# Altium PCB Mainboard_gnd_bak.PcbDoc (part 1 of 2) (continued)
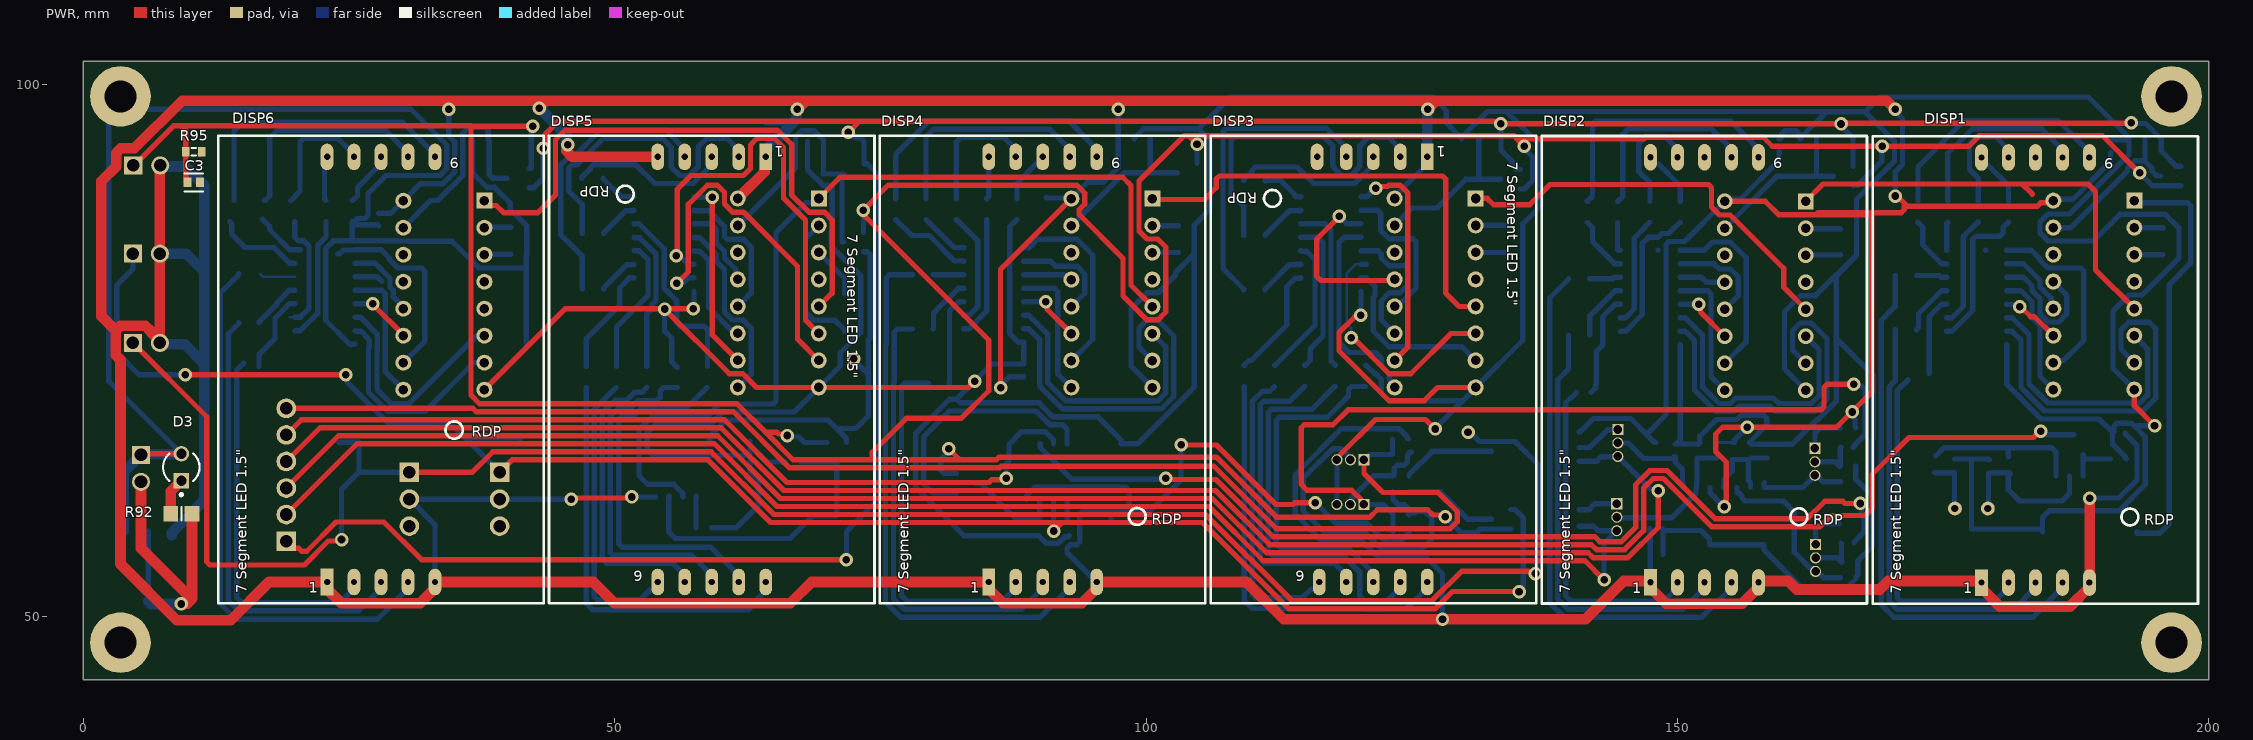
[diagram p0: PWR view]
## Part data
"A SW" "B SW" PWR RST: library part CMP-2000-05537-1, "Male Header, Pitch 2.54 mm, 1 x 2 Position, Height 11.7 mm, Tail Length 3.56 mm, 0 to 75 degC, RoHS, Bulk", Current - Max=4A, Manufacturer=Molex, Operating temperature=0°Cto+75°C, Package Description="2-Leads Header, Body 5.08 x 5.8 mm, Pitch 2.54 mm", Package Version="Rev. BC, 02/2012", PartNumber=0022272021, Voltage - Max=250V, Contact material=Tinplatedbrass, Current rating=4A, Datasheet URL=http://www.molex.com/pdm_docs/sd/022272021_sd.pdf, Datasheet Version="Rev. F, 06/2009", Housing material=Nylon(UL94V-0), Manufacturer URL=http://www.molex.com/, Mounting Technology=ThroughHole, No. of Positions=2, No. of Rows=1, Orientation=Vertical, Package Reference=22-27-2021, Pitch=2.54mm, Voltage rating=250V
C1 C2 C3 C4 C5 C6 C7 C8 C9 C10 C11 C12 C13 C14 C15 C16 C17 C18 C19 C20: library part CMP-1035-00914-3, "CAP CER 30PF 50V 5% NP0 0603", Capacitance="30 pF", Manufacturer=KEMET, Manufacturer Part Number=C0603C300J5GACTU, Package=C0603C-CF, Temperature="-55°C to +125°C", Temperature Characteristic=C0G, Temperature Coefficient=30ppm/°C, Temperature Range High=+125°C, Temperature Range Low=-55°C, Tolerance=0.05, Voltage rating="50 V", Automotive=Yes, Automotive Grade="Grade 1", Category=Cap, ComponentLink2Description=Datasheet, ComponentLink2URL=https://api.kemet.com/component-edge/download/datasheet/C0603C100J5GACAUTO.pdf, Device Class L1="Passive Components", Device Class L2=Capacitors, Device Class L3="Ceramic Capacitors", Digikey Description="CAP CER 30PF 50V 5% NP0 0603", Height=0.87mm, Lead Free=Yes, Material=Ceramic, Mouser Description="Multilayer Ceramic Capacitors MLCC - SMD/SMT 50volts 30pF C0G 5%", Octopart=https://octopart.com/c0603c300j5gactu-kemet-199455, RoHS=TRUE
D1 D2 D4 D5 D6 D7 D8 D9 D10 D11 D12 D13 D14: library part CMP-12790-000084-1, "DIODE ARRAY SCHOTTKY 30V SOT23-3", Average Rectified Current=200mA, Capacitance=10pF, Case/Package=SOT-23, Forward Voltage=800mV, Max Forward Surge Current (Ifsm)=600mA, Max Operating Temperature=150°C, Max Power Dissipation=200mW, Max Repetitive Reverse Voltage (Vrrm)=30V, Max Reverse Current=2uA, Min Operating Temperature=-65°C, Package Quantity=3000, Contact Plating=Tin, Current rating=200mA, Element Configuration="Common Cathode", Forward Current=200mA, Height=1mm, Lead Free="Lead Free", Length=2.9mm, Max Reverse Voltage (DC)=30V, Mount="Surface Mount", Number of Pins=3, Packaging="Tape and Reel", Peak Non-Repetitive Surge Current=600mA, Power Dissipation=200mW, Power Rating=200mW, Radiation Hardening=No, REACH SVHC="No SVHC", Reverse Recovery Time=5ns, RoHS Compliant=Yes, Series=-, Termination=SMD/SMT, Voltage Rating (DC)=30V, Weight=0.000282oz, Width=1.3mm
D3: library part CMP-18399-000007-1, "LED RED DIFFUSED T-1 T/H", Colour=Red, Forward Current=10mA, Forward Voltage=1.9V, Manufacturer=Broadcom, Max Junction Temp=+110°C, Package=0, Reverse Voltage=5V, Temperature="-40°C to +100°C", Temperature Range High=+100°C, Temperature Range Low=-40°C, Automotive=No, Category=Diode, ComponentLink2Description=Datasheet, ComponentLink2URL=https://docs.broadcom.com/docs/AV02-1555EN, Device Class L1=Optoelectronics, Device Class L2=LEDs, Device Class L3=unset, Digikey Description="LED RED DIFFUSED T-1 T/H", Lead Free=Yes, Led Orientation=Straight, Luminous Intensity=3.4mcd, Manufacturer Part Number=HLMP-1301, Mouser Description="Standard LEDs - Through Hole Red Diffused 635nm 3.4mcd", Octopart=https://octopart.com/hlmp-1301-broadcom-71130345, Peak Emmision Wavelength=635nm, RoHS=TRUE, Viewing Angle=60°, Wavelength=626nm
DISP1 DISP2 DISP4 DISP6: library part CMP-007-00036-2, "7 segment display 1.5 inch"
DISP3 DISP5: library part CMP-00000-1, "7 segment 1.5 inch display Upside down"
"GATE A" "GATE B": library part CMP-04776-000327-1, "CONN HEADER VERT 3POS 2.54MM", Color=Natural, Contact Resistance=10mR, Current rating=4A, Housing Color=White, Max Operating Temperature=75°C, Min Operating Temperature=0°C, Voltage rating=250V, Connector Type="Male Pin", Contact material=Brass, Contact Mating Length=0.295inch, Contact Plating=Gold, Contact Type="Male Pin", Depth=5.8mm, Fastening Type=Friction, Gender=Male, Housing material=Nylon, Lead Pitch=2.54mm, Length=7.62mm, Mount="Through Hole", Number of Contacts=3, Number of Positions=3, Number of Rows=1, Orientation=Straight, Packaging=Bulk, Pitch=2.54mm, Radiation Hardening=No, RoHS Compliant=Yes, Series="KK® 6410", Termination=Solder, Working Voltage=250V
"MODE SW": library part CMP-04776-000934-1, "CONN HEADER VERT 6POS 2.5MM", Color=Natural, Contact Resistance=20mR, Current rating=3A, Flammability Rating="UL94 V-0", Insulation Resistance=1GR, Max Operating Temperature=105°C, Max Voltage Rating (DC)=250.25kV, Min Operating Temperature=-40°C, Package Quantity=1, Voltage rating=250V, Connector Type="Male Pin", Contact Gender=Male, Contact material=Brass, Contact Mating Length=0.295inch, Contact Plating=Tin, Contact Type="Male Pin", Fastening Type=Friction, Gender=Male, Glow Wire Compliant=Non-compliant, Halogen Free="Low Halogen", Height=11.7mm, Hole Diameter=1.19mm, Housing Color=Natural, Housing material=Nylon, Lead Free="Lead Free", Lead Pitch=2.5mm, Length=14.5mm, Mount="Through Hole", Number of Circuits=6, Number of Contacts=6, Number of Poles=6, Number of Positions=6, Number of Rows=1, Orientation=Straight, Packaging=Bulk, Pitch=2.5mm, Radiation Hardening=No, Series="KK® 5045", Termination=Solder, Voltage Rating (AC)=250V, Voltage Rating (DC)=250V, Width=5.8mm, Working Voltage=250V
Q1 Q2 Q3 Q4 Q5 Q6: library part CMP-1177-00037-1, "NPN Silicon AF Transistor, 45 V VCEO, 100 mA IC, SOT23, Reel, Green", Manufacturer="On Semiconductor", ComponentLink1Description="Manufacturer URL", ComponentLink1URL=http://www.onsemi.com/, ComponentLink2Description=Datasheet, ComponentLink2URL=http://www.onsemi.com/pub_link/Collateral/BC546-D.PDF, ComponentLink3Description="Package Specification", ComponentLink3URL=http://www.onsemi.cn/pub_link/Collateral/2N6426-D.PDF, DatasheetVersion="Rev. 7", fT Min (MHz)=150, IC Continuous (A)=0.1, Mounting Technology="Through Hole", PackageDescription="3-Pin Transistor Outline, Body 4.825 x 3.685 mm, Pitch 1.27 mm", PackageReference=TO-92-3-29-11_AM_SL, PackageVersion="Rev. AM", Packing="Bulk Box", PartNumber=BC547C, Polarity=NPN, RoHS=FALSE
Q7: library part CMP-1099-00020-1, "P-Channel SIPMOS Small-Signal-Transistor, -60 V VDS, -1.9 A ID, -55 to 150 degC, PG-SOT223 (SC-73), Reel, Green", Manufacturer=Infineon, ComponentLink1Description="Manufacturer URL", ComponentLink1URL=http://www.infineon.com/, ComponentLink2Description=Datasheet, ComponentLink2URL=http://www.infineon.com/dgdl/BSP170P_Rev2.53.pdf?folderId=db3a304314dca38901154a72e3951a65&fileId=db3a30433b47825b013b5fdad470576f, ComponentLink3Description="Package Specification", ComponentLink3URL=http://www.infineon.com/dgdl/SOT223-Package_Overview.pdf?folderId=db3a30431936bc4b0119530470b03c3d&fileId=db3a30431936bc4b0119531d40b93c5c, DatasheetVersion="Rev. 2.53", Green=TRUE, Halogen-free=TRUE, ID (max)="-1.9Â A", IDpuls (max)="-7.6Â A", Mode=Enhancement, Mounting Technology="Surface Mount", PackageDescription="4-Pin Small Outline Transistor Package, 6.5 x 3.5 mm Body, 2.3 mm Pitch", PackageReference="PG-SOT223 (SC-73)", PackageVersion=Apr-08, Packing=Reel, PartNumber=BSP170P, Polarity=P, Pto t (max)="1.8Â mW", QG="-12.5Â nC", RDS (on) (max)="300Â mOhm", Rth="110Â K/W", Technology=SIPMOS, VDS (max)="-60Â V", VGS(th) (max)="-4Â V", VGS(th) (min)="-2.1Â V"
R1 R2 R3 R4 R5 R6 R7 R8 R9 R10 R11 R12 R13 R14 R15 R16 R17 R18 R19 R20 R21 R22 R23 R24 R25 R26 R27 R28 R29 R30 R31 R32 R33 R34 R35 R36 R37 R38 R39 R40 R41 R42 R43 R44 R45 R46 R47 R48 R49 R50 R51 R52 R53 R54 R55 R56 R57 R58 R59 R60 R61 R62 R63 R64 R65 R66 R67 R68 R69 R70 R71 R72 R73 R74 R75 R76 R77 R78 R79 R80 R81 R82 R83 R84 R85 R86 R87 R88 R89 R90 R91 R92 R93 R94 R95: "Resistor", LatestRevisionDate=29-May-2009, LatestRevisionNote="IPC-7351 Footprint Added.", PackageDescription="Chip Resistor", PackageReference=J1-0603, Published=8-Jun-2000, Publisher="Altium Limited"
U1 U6: library part CMP-1623-00072-2, "CMOS Decade Counter with 10 Decoded Outputs, D0016A, LARGE T&R", F @ Nom Voltage(Max)(Mhz)=8, Generic Part Number=CD4017B, ICC @ Nom Voltage(Max)(mA)=0.03, Manufacturer="Texas Instruments", Operating Temperature Range(C)="-55 to 125", Rating=Military, tpd @ Nom Voltage(Max)(ns)=270, Voltage(Nom)(V)=10, Bits(#)=10, Code_JEDEC="MS-012 variation AC", DatasheetVersion=SCHS027C, Function=Counter, Input Type=CMOS, Inputs=1, Output Drive (IOL/IOH)(Max)(mA)=1.5/-1.5, Output Type=CMOS, PackageReference=D0016A, Schmitt Trigger=No, Technology Family=CD4000, Type=Decade, VCC(Max)(V)=18, VCC(Min)(V)=3
U2 U4 U7 U9 U11 U13: library part CMP-1623-00561-2, "CMOS Decade Counter/Divider with Decoded 7-Segment Display Outputs and Display Enable, N0016A, TUBE", F @ Nom Voltage(Max)(Mhz)=8, Generic Part Number=CD4026B, ICC @ Nom Voltage(Max)(mA)=0.03, Manufacturer="Texas Instruments", Operating Temperature Range(C)="-55 to 125", Rating=Catalog, tpd @ Nom Voltage(Max)(ns)=250, Voltage(Nom)(V)=5,10,15, Bits(#)=7, Code_JEDEC=MS-001, DatasheetVersion=SCHS031B, Function=Counter, Input Type=CMOS, Inputs=1, Output Drive (IOL/IOH)(Max)(mA)=1.5/-1.5, Output Type=CMOS, PackageReference=N0016A, Schmitt Trigger=No, Technology Family=CD4000, Type=Decade, VCC(Max)(V)=18, VCC(Min)(V)=3
U3 U5 U8 U10 U12 U14: library part CMP-2000-05374-1, "Seven NPN Darlington Array Transistor, 50 V, 500 mA, -40 to 85 degC, 8-Pin SOIC, RoHS, Tape and Reel", Collector Emitter Voltage V(br)ceo=50V, DC Collector Current=500mA, DC Current Gain hFE=1000hFE, Manufacturer=STMicroelectronics, Operating Temperature Max=85degC, Package Description="16-Pin Small Outline Integrated Circuit, Body 9.9 x 3.9 mm, Pitch 1.27 mm", Package Reference=SO-16, Power Dissipation Pd=-, Transistor Case Style=SOIC, Automotive Qualification Standard=-, Datasheet URL=https://datasheet.ciiva.com/1193/1690348-1193460.pdf, Datasheet Version="Rev. 8, 06/2012", Manufacturer URL=http://www.st.com/, MSL=MSL1-Unlimited, No. of Pins=16Pins, Product Range=-, SVHC=NoSVHC(17-Dec-2015), Transistor Polarity=NPN
U15: library part CMP-1086-00004-4, "CMOS 14-Stage Ripple Carry Binary Counter / Divider and Oscillator, 3 to 18 V, -55 to 125 degC, 16-Pin SOIC (D), Green (RoHS & no Sb/Br), Tape and Reel", Manufacturer="Texas Instruments", Temperature Range="-55 to 125 degC", ComponentLink1Description="Manufacturer URL", ComponentLink1URL=http://www.ti.com, ComponentLink2Description=Datasheet, ComponentLink2URL=http://www.ti.com/lit/ds/symlink/cd4060b.pdf, ComponentLink3Description="Package Specification", ComponentLink3URL=http://www.ti.com/lit/ml/mpds178g/mpds178g.pdf, DatasheetVersion=SCHS049C, Mounting Technology="Surface Mount", Note1="Green (RoHS & no Sb/Br)", PackageDescription="16-Pin Plastic Small-Outline Package, Body 9.9 x 3.9 mm, Pitch 1.27 mm", PackageReference=D0016A, PackageVersion=4040047-6/M, Packing="Tape and Reel", PartNumber=CD4060BM96, tPHL, tPLH (typ) @ 5 V="370 ns", VDD="3 to 18 V"
U16: library part CMP-04896-000028-1, "IC QUAD DIFF COMP 14-SOIC", Input Bias Current=-0.025uA, Input Offset Voltage=2mV, Manufacturer="Texas Instruments", Max Dual Supply Voltage=18V, Max Junction Temp=+70°C, Max Supply Voltage=30V, Min Dual Supply Voltage=1V, Min Supply Voltage=2V, Nominal Supply Current=0.8mA, Output Current Per Channel=6mA, Package=D0014A, Temperature="0°C to +70°C", Temperature Range Low=0°C, Automotive=No, Category=IC, ComponentLink2Description=Datasheet, ComponentLink2URL=http://www.ti.com/lit/ds/symlink/lm339.pdf, Device Class L1="Integrated Circuits (ICs)", Device Class L2="Linear ICs", Device Class L3=Comparators, Digikey Description="IC QUAD DIFF COMP 14-SOIC", Height=1.75mm, Ipc Land Pattern Name=SOIC127P600X175-14, Lead Free=Yes, Manufacturer Part Number=LM339DR, Mouser Description="Analog Comparators Quad Differential", Number Of Channels=4, Octopart=https://octopart.com/lm339dr-texas+instruments-45532, Response Time=1.3us, RoHS=TRUE, Standoff Height=0.1mm, Temperature Range High=+70°C
Y1: library part XTAL, "Crystal Oscillator", LatestRevisionDate=17-Jul-2002, LatestRevisionNote="Re-released for DXP Platform.", PackageDescription="Crystal, Thru-Hole; 2 Leads; Body 3.1 x 8.2 mm (Dia.xH)", PackageReference=R38, Published=8-Jun-2000, Publisher="Altium Limited"

## Free pads (board coordinates)
  round 5.7 hole 3: 2(3.5,47.5) 2(3.5,98.9) 2(196.5,47.5) 2(196.5,98.9)

## Via types
v1: diameter 1.27, hole 0.711, PWR to GND, 65 vias

## Nets (pads, with @x,y where several pads share a name; then routed paths per layer and width w, separated by ;. In a path a pad name is that pad's centre, name@x,y a point inside that pad or via, vN(x,y) a via of type N, cw(c..) or ccw(c..) an arc to the next point about the centre after c; other vN are vias at no path point)
0.1Hz: U2.5 U4.1 U6.14 | length 87.4
  PWR w0.5: U4.1@69.21,89.29 71.208,91.288 97.811,91.288 98.592,90.507 98.592,81.128 U2.5@100.6,79.12
  GND w0.5: U6.14@56.395,61.204 56.395,61.554 55.549,62.4 53.1,62.4 52.3,63.2 52.3,67.549 53.497,68.746 58.673,68.746 59.875,69.947 64.883,69.947 65.176,70.24 65.176,86.076 68.02,88.92 68.84,88.92 U4.1@69.21,89.29
1Hz: U2.1 U13.5 | length 43.2
  PWR w0.5: U2.1@100.6,89.28 100.68,89.2 105.5,89.2 106.6,90.3 106.6,91.107 106.893,91.4 127.907,91.4 128.2,91.107 128.2,80.4 129.47,79.13 U13.5@131.01,79.13
10Hz: U11.5 U13.1 | length 39.1
  PWR w0.5: U13.1@131.01,89.29 131.02,89.3 132.1,89.3 132.7,88.7 136.1,88.7 138,90.6 138.6,90.6 152.915,90.6 153.207,90.307 153.207,88.506 153.974,87.739 154.981,87.739 160,82.72 160,80.947 U11.5@162.081,78.865
"60 second reset": D7.2 D8.2 U6.5 | length 36.2
  GND w0.5: U6.5@58.935,66.525 58.935,66.875 60.499,68.439 70.088,68.439 70.874,67.654 ; D8.2@71.815,66.327 71.815,66.713 70.874,67.654 ; v1@72.6,74 73.7,72.9 73.856,72.9 ; D7.2@73.412,84.285 73.774,84.285 74.052,84.007 74.052,76.189 73.856,75.993 73.856,72.9 ; 70.874,67.654 72.71,67.654 73.856,68.8 73.856,72.9
  other v1: 72.5,74.2
100Hz: U9.5 U11.1 | length 42.1
  PWR w0.5: U11.1@162.081,89.025 163.716,90.66 182.44,90.66 ; 183.4,89.7 182.44,90.66 ; U9.5@193,78.927 189.354,82.573 189.354,89.946 188.64,90.66 182.44,90.66
+5: "A SW.2" "B SW.2" "GATE A.2" "GATE B.2" C9.2 C10.2 C11.2 C12.2 C13.2 C14.2 C15.2 C16.2 C17.2 C18.2 DISP1.1 DISP1.5 DISP2.1 DISP2.5 DISP3.1 DISP3.5 DISP4.1 DISP4.5 DISP5.1 DISP5.5 DISP6.1 DISP6.5 Q7.3 R72.1 R73.1 R78.1 R79.1 R80.1 R83.1 R86.1 R89.1 R90.1 RST.2 U1.16 U2.16 U4.16 U6.16 U7.16 U9.16 U11.16 U13.16 U15.16 U16.3 | length 875.3
  PWR w0.5: v1(45.9,61) 46,61.1 51.5,61.1 v1(51.6,61.2) ; v1(86.339,71.5) 86.3,71.539 86.3,82.6 U2.16@92.98,89.28 ; v1(103.3,66.1) 106.646,66.1 112.246,60.5 113.834,60.5 113.995,60.661 v1(115.939,60.661) ; v1(154.4,60.3) 154.547,60.447 154.547,60.925 154.6,60.978 154.6,64.5 153.6,65.5 153.6,67.1 154.261,67.761 v1(156.561,67.761) 164.972,67.761 v1@166.411,69.2 ; U11.16@154.461,89.025 158.259,89.025 159.513,87.771 163.04,87.771 ; v1@166.428,69.218 168.3,71.089 168.3,87.771 163.04,87.771 ; v1(170.5,89.521) 170.679,89.521 171.36,88.84 ; U9.16@185.38,89.087 185.189,88.895 184.206,88.895 183.872,88.561 171.639,88.561 171.36,88.84 ; 163.04,87.771 163.228,87.96 171.067,87.96 171.36,88.252 171.36,88.84
  PWR w1: 7.21,75.7 7.21,75.889 ; RST.2@7.21,92.3 7.21,84.1 7.21,75.889 ; v1@42.9,97.863 43.537,98.5 ; v1@45.435,93.786 46.02,93.2 DISP5.5@54.052,93.2 ; U4.16@61.59,89.29 64.112,91.812 64.112,93.1 DISP5.1@64.212,93.2 ; v1(67.2,97.695) 68.005,98.5 ; DISP3.5@116.1,93.2 DISP3.5@116.1,93.796 ; DISP3.1@126.368,93.95 126.468,93.85 DISP3.1@126.468,93.2 ; v1(126.5,97.695) 127.305,98.5 ; v1(170.5,97.7) 169.7,98.5 127.305,98.5 ; DISP1.5@188.75,52.704 186.946,50.9 180.34,50.9 178.59,52.65 178.59,53.3 169.84,53.3 169.04,52.5 161.233,52.5 160.433,53.3 157.622,53.3 157.622,52.565 157.539,52.482 157.399,52.482 156.084,51.166 148.946,51.166 147.692,52.42 147.571,52.42 147.462,52.529 147.462,53.3 144.964,53.3 141.352,49.688 112.965,49.688 109.453,53.2 DISP4.5@95.36,53.2 95.36,52.604 93.952,51.196 86.554,51.196 85.2,52.55 DISP4.1@85.2,53.2 68.544,53.2 66.54,51.196 49.984,51.196 47.98,53.2 DISP6.5@33.1,53.2 33.1,52.604 31.692,51.196 24.294,51.196 22.94,52.55 DISP6.1@22.94,53.2 17.477,53.2 13.888,49.611 8.789,49.611 3.508,54.892 3.508,74.096 3.066,74.538 3.066,76.862 ; DISP1.5@188.8,53.2 v1(188.8,61.1) ; 3.066,76.862 3.508,77.304 5.832,77.304 6.369,76.767 6.369,76.73 7.21,75.889 ; 3.066,76.862 1.7,78.228 1.7,90.9 3.096,92.296 3.096,93.562 3.538,94.004 4.804,94.004 9.3,98.5 43.537,98.5 ; 43.537,98.5 68.005,98.5 ; 68.005,98.5 127.305,98.5
  GND w0.254: R83.1@153.8,66.35 153.819,66.331 R78.1@155.253,66.331
  GND w0.5: C13.2@27.805,87.9 28.943,87.9 U7.16@30.123,89.08 31.726,90.682 33.86,90.682 34.958,91.78 34.958,94.62 34.4,95.178 v1(34.4,97.7) ; DISP6.5@33.1,53.2 33.1,58.58 30.68,61 39.18,61 v1(45.9,61) ; v1(51.6,61.2) 51.604,61.204 U6.16@53.855,61.204 ; C11.2@64.2,96.4 66.1,96.4 66.431,96.069 ; v1(86.339,71.5) 86.339,71.708 87.121,72.49 87.121,72.521 C12.2@88.5,72.521 ; U1.16@88.755,60.975 88.755,61.325 89.534,62.104 98.1,62.104 98.424,61.78 98.424,60.17 98.1,59.846 ; C10.2@90.6,89.4 90.66,89.34 92.92,89.34 U2.16@92.98,89.28 94.513,90.813 95.987,90.813 97.4,92.226 v1(97.4,97.7) ; DISP4.5@95.36,53.2 92.571,55.989 92.571,56.403 92.864,56.696 93.459,56.696 93.754,56.991 93.754,59.553 94.047,59.846 96.6,59.846 ; C9.2@96.7,58.8 96.7,59.746 96.6,59.846 ; v1(103.3,66.1) 103.3,62.8 100.346,59.846 98.1,59.846 ; v1(115.939,60.661) 117.876,58.724 120.794,58.724 122.572,56.946 123.896,56.946 124.75,57.8 R72.1@124.75,57.9 R72.1@124.75,58 ; U13.16@123.39,89.29 123.39,89.472 126.468,92.55 DISP3.1@126.468,93.2 ; R73.1@124.697,66.654 124.597,66.754 124.597,66.854 123.843,67.608 118.359,67.608 114.046,63.295 114.046,59.588 116.418,57.216 120.169,57.216 121.947,55.438 126.442,55.438 127.9,53.98 v1(127.9,49.7) ; R86.1@140.771,67.35 140.871,67.35 142.102,68.58 145.61,68.58 147.095,67.095 ; C15.2@147.4,58.2 147.464,58.136 C18.2@147.464,56.043 C18.2@147.464,55.8 ; DISP2.1@147.462,53.3 147.463,53.301 C18.2@147.463,55.8 ; R79.1@147.961,66.33 147.861,66.33 147.095,67.095 ; U16.3@153.073,62.094 153.073,61.619 153.539,61.153 153.539,61.11 154.349,60.3 v1(154.4,60.3) ; R78.1@155.261,66.323 155.361,66.323 155.361,66.561 v1(156.561,67.761) ; C17.2@159.6,93.7 159.568,93.668 159.568,92.868 155.917,89.217 154.653,89.217 U11.16@154.461,89.025 150.671,85.235 149.231,85.235 148.938,84.942 148.938,68.938 147.095,67.095 ; v1@166.715,68.723 166.715,67.806 R80.1@166.815,67.706 ; v1@170.429,89.521 v1(170.5,89.521) ; v1@170.5,89.592 170.5,91.8 171.193,92.493 171.193,96.799 170.5,97.492 v1(170.5,97.7) ; U9.16@185.38,89.087 185.512,89.219 187.217,89.219 190.766,92.768 190.766,93.573 C16.2@190.793,93.6 ; v1(188.8,61.1) 191.533,61.1 193.25,62.817 U15.16@193.25,63.167 193.25,66.029 192.154,67.125 C14.2@192.154,67.2 ; 96.6,59.846 98.1,59.846
  GND w1: 7.21,75.7 7.344,75.566 9.548,75.566 11.4,73.714 ; 7.21,84.1 9.7,84.1 11.4,82.4 ; RST.2@7.21,92.3 9.6,92.3 11.4,90.5 11.4,82.4 ; Q7.3@8.33,57.6 8.33,57.85 11.4,60.92 11.4,73.714 ; v1(42.9,97.8) 45.518,95.182 45.518,94.393 v1(45.57,94.342) ; DISP5.1@64.212,93.2 64.212,93.85 66.431,96.069 67.148,96.787 67.148,97.643 v1(67.2,97.695) ; DISP3.1@126.468,93.2 126.468,97.663 v1(126.5,97.695) ; 11.4,73.714 11.4,82.4
  other v1: 166.446,69.2
"Display Reset 1": C3.1 D2.2 D4.2 D5.1 D7.1 D8.1 D10.1 D11.2 D12.2 D13.2 R95.1 RST.1 | length 397.5
  PWR w0.5: RST.1@4.67,92.3 8.495,96.125 9.2,96.125 ; C3.1@9.8,90.8 9.675,90.925 9.675,91.268 9.65,91.293 9.65,95.675 9.2,96.125 ; 36.489,96.125 9.2,96.125 ; v1(42.3,96.082) 42.282,96.1 36.489,96.1 36.489,70.781 37.292,69.978 61.522,69.978 64.2,67.3 ; v1(66.228,66.984) 66.081,67.131 65.435,67.131 65.266,67.3 64.2,67.3 ; v1(81.439,65.739) 82.378,64.8 ; 103.558,95.158 99.346,90.946 99.346,86.221 100.097,85.47 101.103,85.47 101.854,84.719 101.854,78.601 101.119,77.866 100.081,77.866 97.838,80.109 97.838,83.655 93.691,87.803 93.691,88.217 94.234,88.761 94.234,89.799 93.499,90.534 75.734,90.534 v1(73.4,88.2) 73.547,88.053 73.547,87.614 85.2,75.961 85.2,71.2 82.601,68.601 77.437,68.601 74.25,65.414 74.25,64.707 ; 103.593,95.193 134.607,95.193 134.9,94.9 ; 104.057,95.143 v1(104.8,94.4) ; v1(128.145,59.355) 127.998,59.502 127.008,59.502 126.51,60 121.763,60 121.063,59.3 112.264,59.3 106.616,64.948 86.16,64.948 85.918,64.707 74.25,64.707 ; v1(135.6,94.2) 134.9,94.9 ; v1(193.5,91.7) 190.007,95.193 178.422,95.193 177.429,94.2 v1(169.3,94.2) 158.933,94.2 158.079,95.054 147.005,95.054 146.85,94.9 134.9,94.9 ; 64.2,67.3 66.793,64.707 74.25,64.707
  GND w0.5: D10.1@41.97,92.115 42.109,92.115 42.153,92.158 42.153,95.935 v1(42.3,96.082) ; v1(66.228,66.984) 66.375,66.837 67.353,66.837 67.863,66.327 D8.1@69.985,66.327 ; v1(73.4,88.2) 73.412,88.188 D7.1@73.412,86.115 ; v1(81.439,65.739) 81.439,65.531 80.685,64.776 80.685,63.708 80.978,63.415 D4.2@82.173,63.415 ; v1(104.8,94.4) 104.801,94.399 D5.1@104.802,92.615 D5.1@104.802,92.615 ; v1(128.145,59.355) 129.652,57.848 131.097,57.848 131.434,58.185 D2.2@134.327,58.185 ; D13.2@135.212,90.185 135.598,90.185 136.395,90.982 136.395,93.196 135.6,93.992 v1(135.6,94.2) ; D12.2@166.527,90.485 166.555,90.513 166.941,90.513 169.243,92.815 169.243,94.143 v1(169.3,94.2) ; v1(193.5,91.7) 194.715,90.485 D11.2@197.353,90.485
"Display Reset 2": "MODE SW.1" D6.1 D9.1 D10.2 D11.1 D12.1 D13.1 | length 272.6
  PWR w0.5: 19.1,57.046 19.775,56.371 20.275,56.371 20.554,56.091 21.025,56.091 23.788,58.854 28.272,58.854 31.826,55.3 v1(71.8,55.3) ; v1(43.292,94) 43.439,94.147 43.439,95.305 44.69,96.556 72.832,96.556 132.722,96.556 132.799,96.479 133.253,96.479 v1(133.4,96.332) ; v1(72,95.5) 73.056,96.556 ; v1@133.532,96.332 165.4,96.332 165.429,96.361 192.629,96.361 v1(192.689,96.421)
  GND w0.5: D10.2@41.97,90.285 42.356,90.285 43.292,91.221 v1(43.292,94) ; v1@71.8,55.5 71.815,55.515 D9.1@71.815,57.573 71.815,57.959 74.61,60.754 74.61,75.681 74.806,75.877 74.806,91.521 73.769,92.558 73.47,92.558 73.47,94.658 73.129,94.999 72.709,94.999 72.208,95.5 v1(72,95.5) ; v1(133.4,96.332) 133.4,93.827 134.783,92.444 134.783,92.058 134.826,92.015 D13.1@135.212,92.015 ; v1@165.2,96.3 166.527,94.973 D12.1@166.527,92.315 ; v1(192.689,96.421) 192.772,96.338 194.074,96.338 195.531,94.881 195.531,93.751 196.967,92.315 D11.1@197.353,92.315
  other v1: 165.4,96.3
GND: "GATE A.3" "GATE B.3" C1.2 C2.2 C3.2 C6.1 C7.1 C8.1 C9.1 C10.1 C11.1 C12.1 C13.1 C14.1 C15.1 C16.1 C17.1 C18.1 C19.2 C20.2 D3.2 pad.2@3.5,98.9 PWR.1 Q1.3 Q2.3 Q7.1 R1.2 R2.2 R10.2 R11.2 R12.2 R20.2 R21.2 R22.2 R23.1 R24.1 R25.2 R26.2 R34.2 R35.2 R36.2 R44.2 R45.2 R46.2 R54.2 R55.2 R56.2 R64.2 R65.2 R66.2 R67.1 R68.1 R71.2 R81.2 R82.2 R84.2 R85.2 R87.2 R88.2 R91.2 R93.2 R94.2 R95.2 U1.8 U2.8 U3.8 U4.8 U5.8 U6.8 U7.8 U8.8 U9.8 U10.8 U11.8 U12.8 U13.8 U14.8 U15.8 U16.8 U16.9 U16.10 U16.11 U16.12 | length 850
  PWR w0.5: PWR.1@5.43,65.17 5.53,65.27 D3.2@9.23,65.27 ; R95.2@11,93.45 11.15,93.6 R95.2@11.15,93.7 ; U7.8@37.743,71.3 45.343,78.9 54.689,78.9 v1(54.7,78.889) 60.793,72.796 62.077,72.796 63.363,71.51 U4.8@69.21,71.51 83.31,71.51 v1(83.9,72.1) ; v1@54.7,78.9 v1(57.4,78.9) ; Q2.3@117.972,64.7 117.972,64.849 118.213,65.09 118.213,65.126 121.587,68.5 126.3,68.5 v1(127.2,67.6) ; v1(120.2,78.3) 120.053,78.153 119.642,78.153 118.166,76.677 118.166,74.96 122.871,70.256 126.178,70.256 127.432,71.51 U13.8@131.01,71.51 ; U9.8@193,71.307 193,69.8 v1(194.9,67.9)
  GND w0.5: D3.2@9.23,65.27 2.4,72.1 2.4,97.3 2.8,97.7 30.811,97.7 34.204,94.307 34.204,92.093 33.557,91.446 28.477,91.446 26.8,89.769 26.8,87.716 26.496,87.412 25.798,87.412 25.698,87.312 25.698,87.1 R67.1@25.298,87.1 R67.1@25.298,86.8 ; U8.8@25.068,75.581 22.819,77.83 22.819,81.402 22.804,81.417 22.804,84.572 23.532,85.3 25.247,85.3 ; U8.8@25.2,75.511 25.269,75.581 U8.8@25.568,75.581 ; C13.1@27.805,86.7 27.68,86.825 25.323,86.825 R67.1@25.298,86.8 ; R35.2@36.593,94.8 36.593,91.75 38.009,90.334 38.702,90.334 40.173,88.863 40.173,88.271 41.743,86.7 R34.2@41.743,86.6 41.718,86.575 41.718,84.025 R36.2@41.693,84 41.693,82.7 ; U7.8@37.743,71.3 41.693,75.25 41.693,82.7 ; v1(54.7,78.889) 54.7,76.815 55.379,76.135 55.379,73.9 R24.1@55.879,73.4 ; v1(57.4,78.9) 57.466,78.966 U5.8@57.466,80.55 ; R25.2@59.15,58.3 61.425,58.3 63.524,60.399 63.524,62.85 62.745,63.629 62.745,65.1 ; U6.8@62.745,66.454 U6.8@62.745,66.104 ; R26.2@66.05,64.5 64.349,64.5 U6.8@62.745,66.104 ; R21.2@68.15,94.7 68.146,94.696 68.146,91.988 69.59,90.544 70.169,90.544 70.464,90.249 70.464,86.231 70.375,86.142 70.375,84.818 73.15,82.043 R22.2@73.15,80.3 R20.2@73.15,76.8 73.15,76.7 71.226,74.776 71.226,73.526 U4.8@69.21,71.51 66.893,69.193 60.187,69.193 58.986,67.992 53.809,67.992 53.076,67.259 53.076,65.649 53.625,65.1 62.745,65.1 ; R23.1@87.861,87.274 87.811,87.274 87.167,86.63 87.167,76.584 87.996,75.755 U3.8@88.496,75.755 88.498,75.753 88.498,73.723 C12.1@88.5,73.721 85.484,73.721 82.167,70.404 ; R1.2@92.8,57.55 92.7,57.45 92.362,57.45 91.772,56.86 90.59,56.86 89.9,57.55 R2.2@89.8,57.55 82.884,57.55 78.346,62.088 78.346,67.212 81.538,70.404 82.167,70.404 ; R11.2@98.9,94.9 98.9,95 99.754,95.854 104.957,95.854 ; U2.8@100.6,71.5 98.592,73.508 98.592,78.885 100.113,80.406 101.119,80.406 102.785,82.071 102.785,82.335 R12.2@104.55,84.1 ; Q1.3@117.96,60.5 117.966,60.506 117.966,64.694 Q2.3@117.972,64.7 ; v1(120.2,78.3) 120.225,78.325 U14.8@120.225,80.555 ; R68.1@120.654,73.6 120.704,73.6 121.5,72.804 121.613,72.804 122.136,72.281 122.136,70.991 122.871,70.256 129.756,70.256 ; v1(127.2,67.6) 127.2,67.65 131.01,71.46 U13.8@131.01,71.51 135.45,75.95 R66.2@135.45,84.2 R64.2@135.45,86.8 135.45,86.9 137.149,88.599 137.149,94.261 133.94,97.471 ; R65.2@129.65,94.9 R65.2@129.65,95 ; C15.1@148.6,58.2 148.6,58.171 148.725,58.046 152.239,58.046 153.023,57.262 153.023,56.744 U16.12@153.073,56.694 U16.11@154.343,56.694 U16.10@155.613,56.694 U16.9@156.883,56.694 U16.8@158.153,56.694 158.153,56.219 161.72,52.652 165.961,52.652 166.815,53.506 R91.2@166.815,53.606 166.815,53.706 166.965,53.856 R84.2@166.965,55.06 166.965,55.16 168.339,56.534 168.339,61.287 ; C18.1@148.651,55.812 C15.1@148.651,58.03 ; U12.8@150.267,75.516 150.267,66.58 149.871,66.184 C7.1@149.796,66.184 149.802,66.179 151.948,66.179 C8.1@151.953,66.173 151.981,66.173 152.106,66.298 152.106,66.906 153.683,68.483 155.606,68.483 156.022,68.9 158.107,68.9 158.4,68.607 158.4,67.962 R81.2@156.761,66.323 ; R81.2@156.861,66.323 157.011,66.173 C6.1@158.565,66.173 160.816,66.173 163.103,68.46 163.202,68.46 164.961,70.219 164.961,76.115 ; C17.1@159.6,94.9 159.675,94.9 159.8,95.025 159.8,95.373 160.093,95.666 161.207,95.666 161.5,95.373 161.5,95 R55.2@161.6,94.9 ; R55.2@161.6,95 164.039,97.439 ; U11.8@162.081,71.245 160.073,73.253 160.073,78.631 161.594,80.151 163.014,80.151 R56.2@166.85,83.987 ; R88.2@166.794,64.08 166.794,62.832 168.339,61.287 ; C2.2@176.074,64.767 177.684,64.767 ; C1.2@179.343,64.717 179.293,64.767 177.684,64.767 ; U10.8@181,75.527 181,71.781 184.236,68.545 189.685,68.545 190.97,67.259 191.079,67.368 191.079,67.861 191.372,68.154 192.738,68.154 192.992,67.9 ; U15.8@184.36,57.917 U15.8@184.36,58.159 ; C16.1@190.793,94.8 192.4,94.8 R45.2@192.5,94.9 ; C14.1@190.954,67.2 190.954,66.171 192.154,64.971 192.154,64.871 R71.2@192.254,64.771 ; U9.8@193,71.307 190.992,73.315 190.992,78.692 192.513,80.213 193.713,80.213 197.2,83.7 R46.2@197.2,83.8 R44.2@197.2,86.5 197.2,86.513 195.912,87.801 191.64,87.801 189.132,85.293 184.861,85.293 184.126,86.027 184.126,87.066 184.893,87.833 186.897,87.833 192.5,93.436 R45.2@192.5,94.9 ; v1(194.9,67.9) 192.992,67.9 ; R67.1@25.298,86.8 25.298,85.3 29.59,85.3 29.604,85.286 30.611,85.286 30.643,85.254 34.716,85.254 37.224,82.746 41.647,82.746 41.693,82.7 ; 62.745,65.1 U6.8@62.745,66.104 ; 82.167,70.404 82.517,70.054 89.949,70.054 91.265,68.738 95.482,68.738 97.645,66.575 U1.8@97.645,66.225 99.231,66.225 104.55,71.544 R12.2@104.55,84.1 ; R12.2@104.55,84.1 R12.2@104.55,84.2 R10.2@104.55,86.7 104.55,86.8 105.985,88.235 105.985,94.825 104.957,95.854 ; 104.957,95.854 107.937,98.834 126.972,98.834 128.261,97.545 128.261,96.389 R65.2@129.65,95 ; R65.2@129.65,95 132.121,97.471 133.94,97.471 ; 133.94,97.471 164.007,97.471 164.039,97.439 ; 164.039,97.439 167.672,97.439 ; 164.961,76.115 164.961,82.011 166.85,83.9 R56.2@166.85,83.987 ; 164.961,76.115 168.423,72.653 168.423,66.735 168.339,66.651 168.339,61.287 ; R56.2@166.85,83.987 R56.2@166.85,84 R54.2@166.85,86.4 166.85,89.216 170.439,92.805 170.439,94.672 167.672,97.439 ; 167.672,97.439 169.072,98.839 188.661,98.839 192.5,95 R45.2@192.5,94.9 ; 177.684,64.767 177.684,58.184 184.335,58.184 U15.8@184.36,58.159 ; U15.8@184.36,58.159 184.36,59.292 184.968,59.9 191.567,59.9 194.029,62.362 194.029,66.863 192.992,67.9
  GND w1: Q7.1@3.8,58 3.8,63.54 5.48,65.22 9.18,65.22 D3.2@9.23,65.27
"NetBramka A test_1": "A SW.1" "GATE A.1" C19.1 D2.1 R93.1 U1.14 | length 171.4
  PWR w0.5: v1(9.6,72.7) v1@24.6,72.7 ; 39.18,63.54 40.34,64.7 58.768,64.7 64.668,58.8 105.3,58.8 113.408,50.692 127.238,50.692 128.846,52.3 v1(135.1,52.3) ; v1(91.3,57.999) 92.001,58.7
  GND w0.5: 4.67,84.1 4.67,82.67 3.154,81.154 3.154,74.803 5.257,72.7 v1(9.6,72.7) ; v1(24.7,72.7) 24.847,72.553 24.847,71.99 28.737,68.1 34.62,68.1 36.11,66.61 ; 39.18,63.54 36.11,66.61 ; R93.1@41.1,66.65 41,66.75 R93.1@40.9,66.75 36.25,66.75 36.11,66.61 ; U1.14@91.295,60.975 91.297,60.972 91.297,58.002 v1(91.3,57.999) ; D2.1@134.327,60.015 134.713,60.015 135.51,59.218 135.51,52.918 135.1,52.508 v1(135.1,52.3)